# KiCad board breakout.kicad_pcb
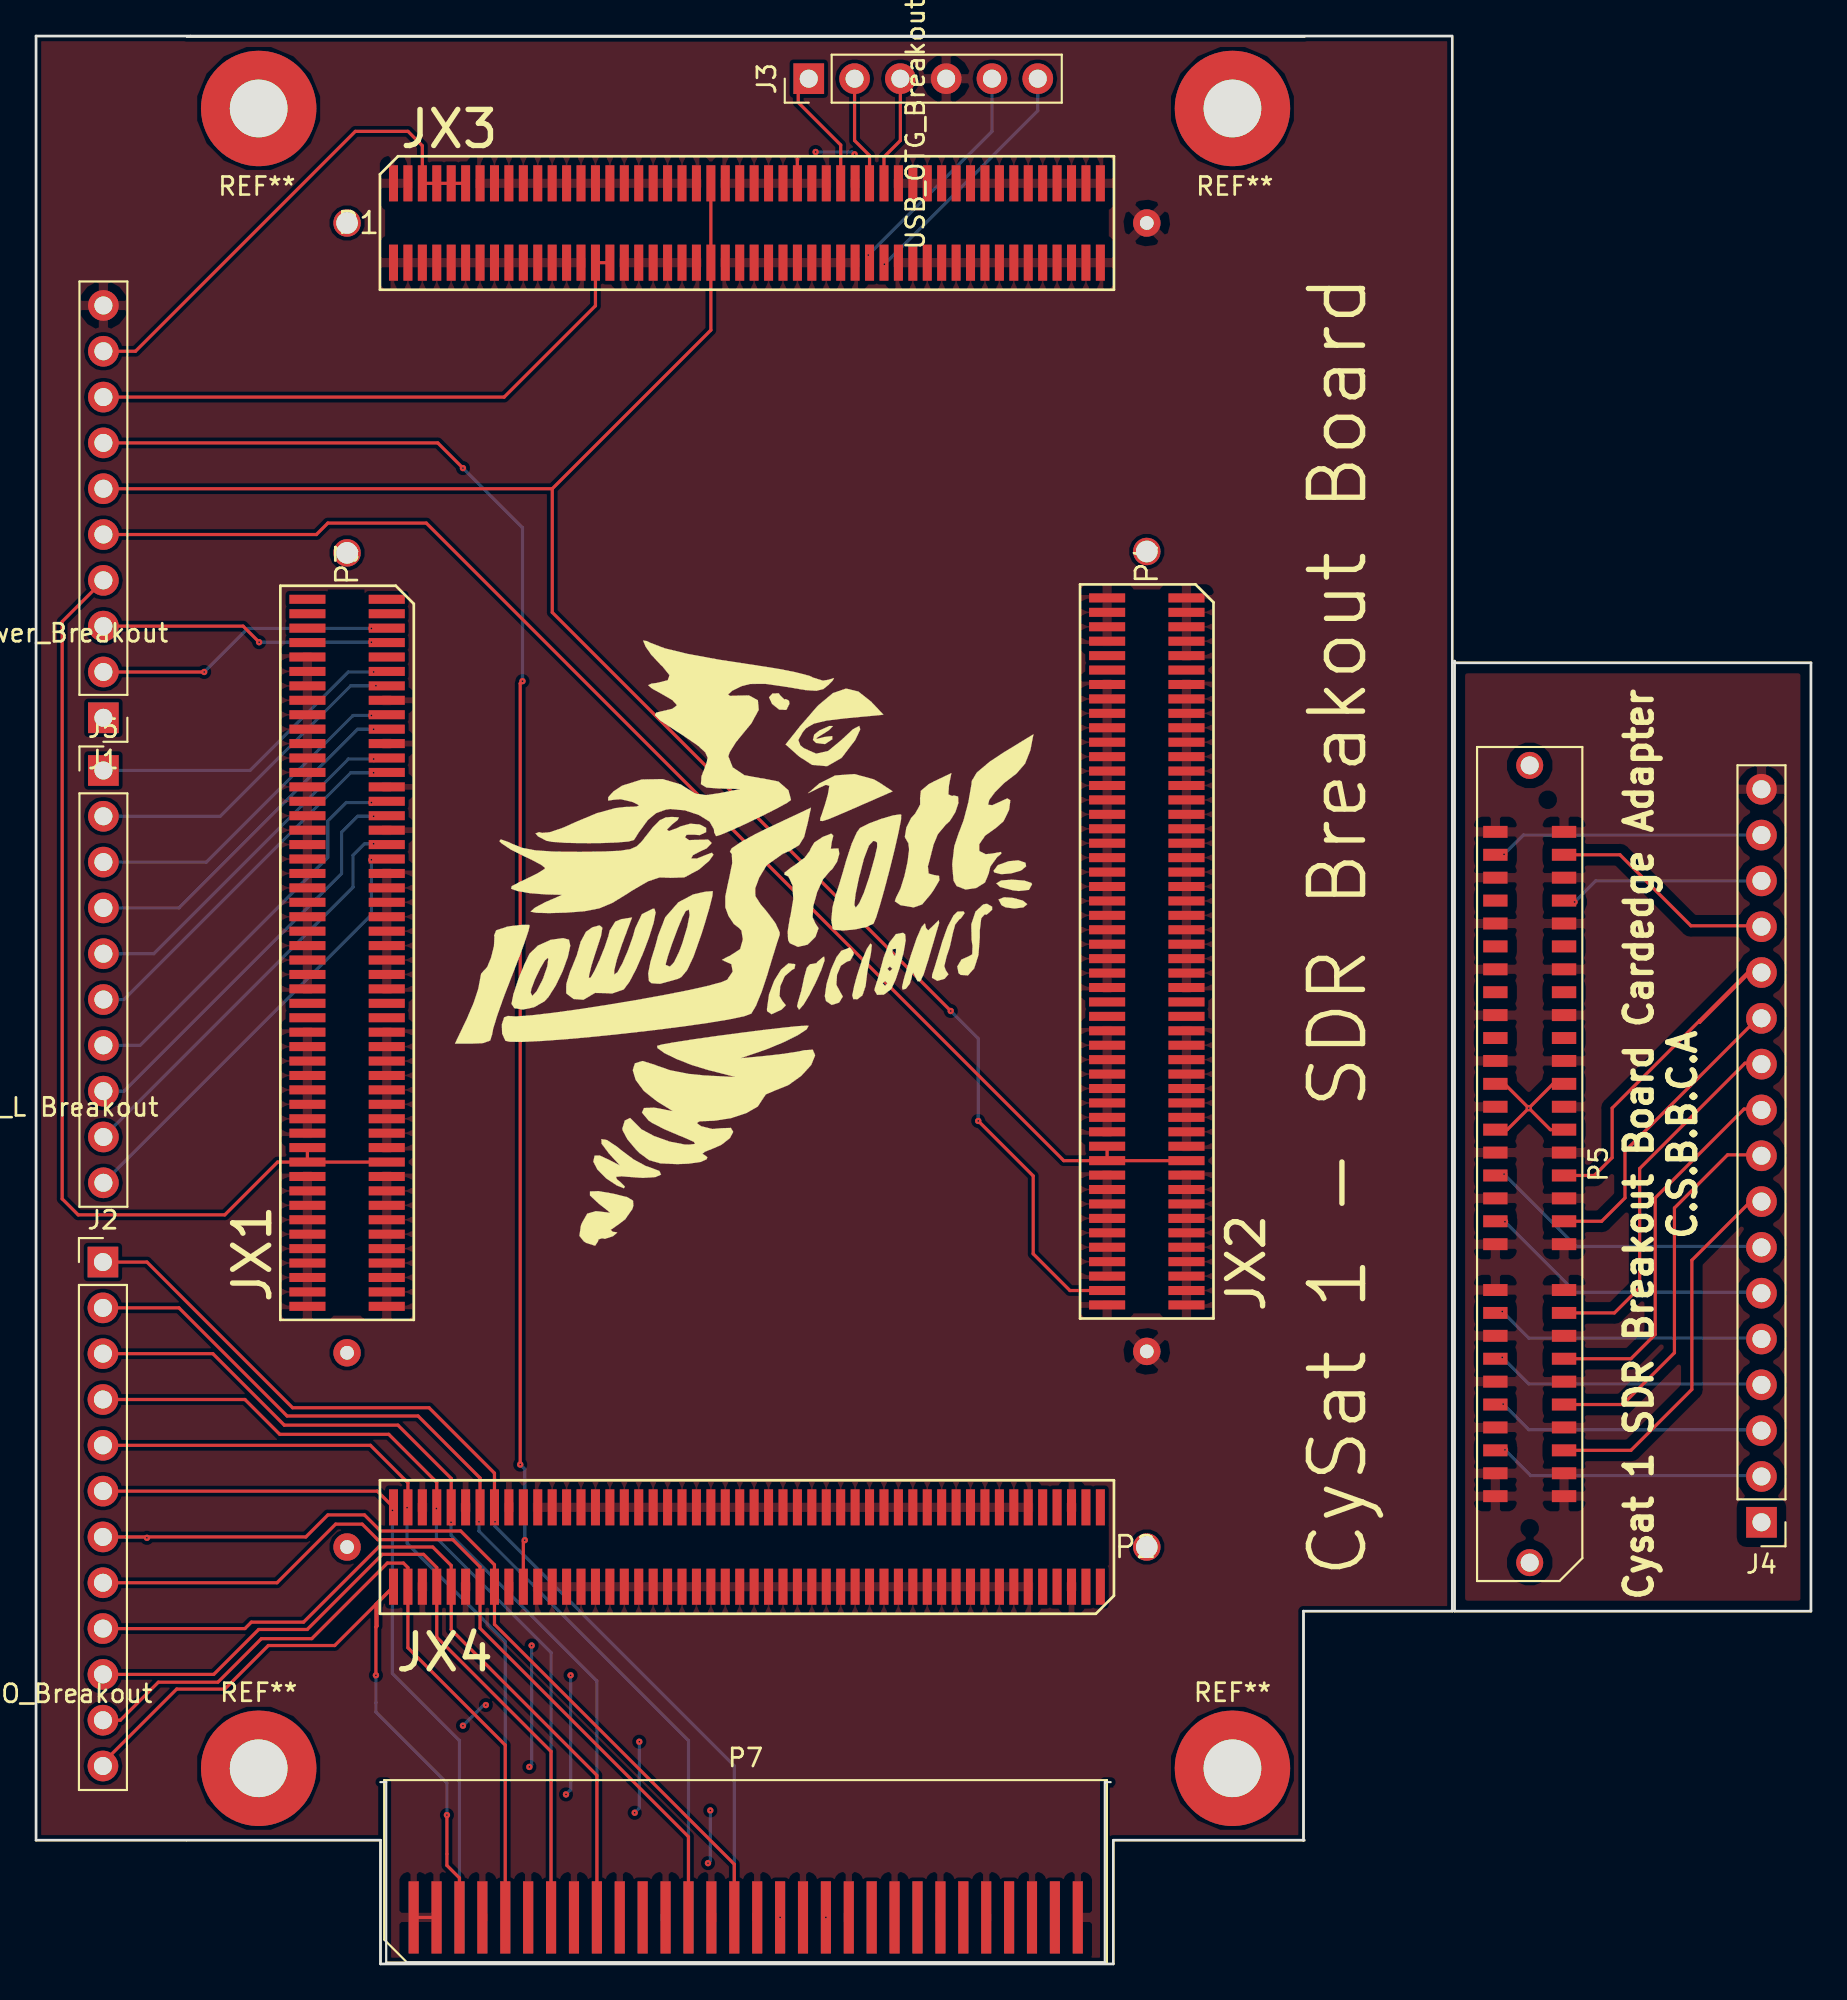
[diagram p0: board, top side]
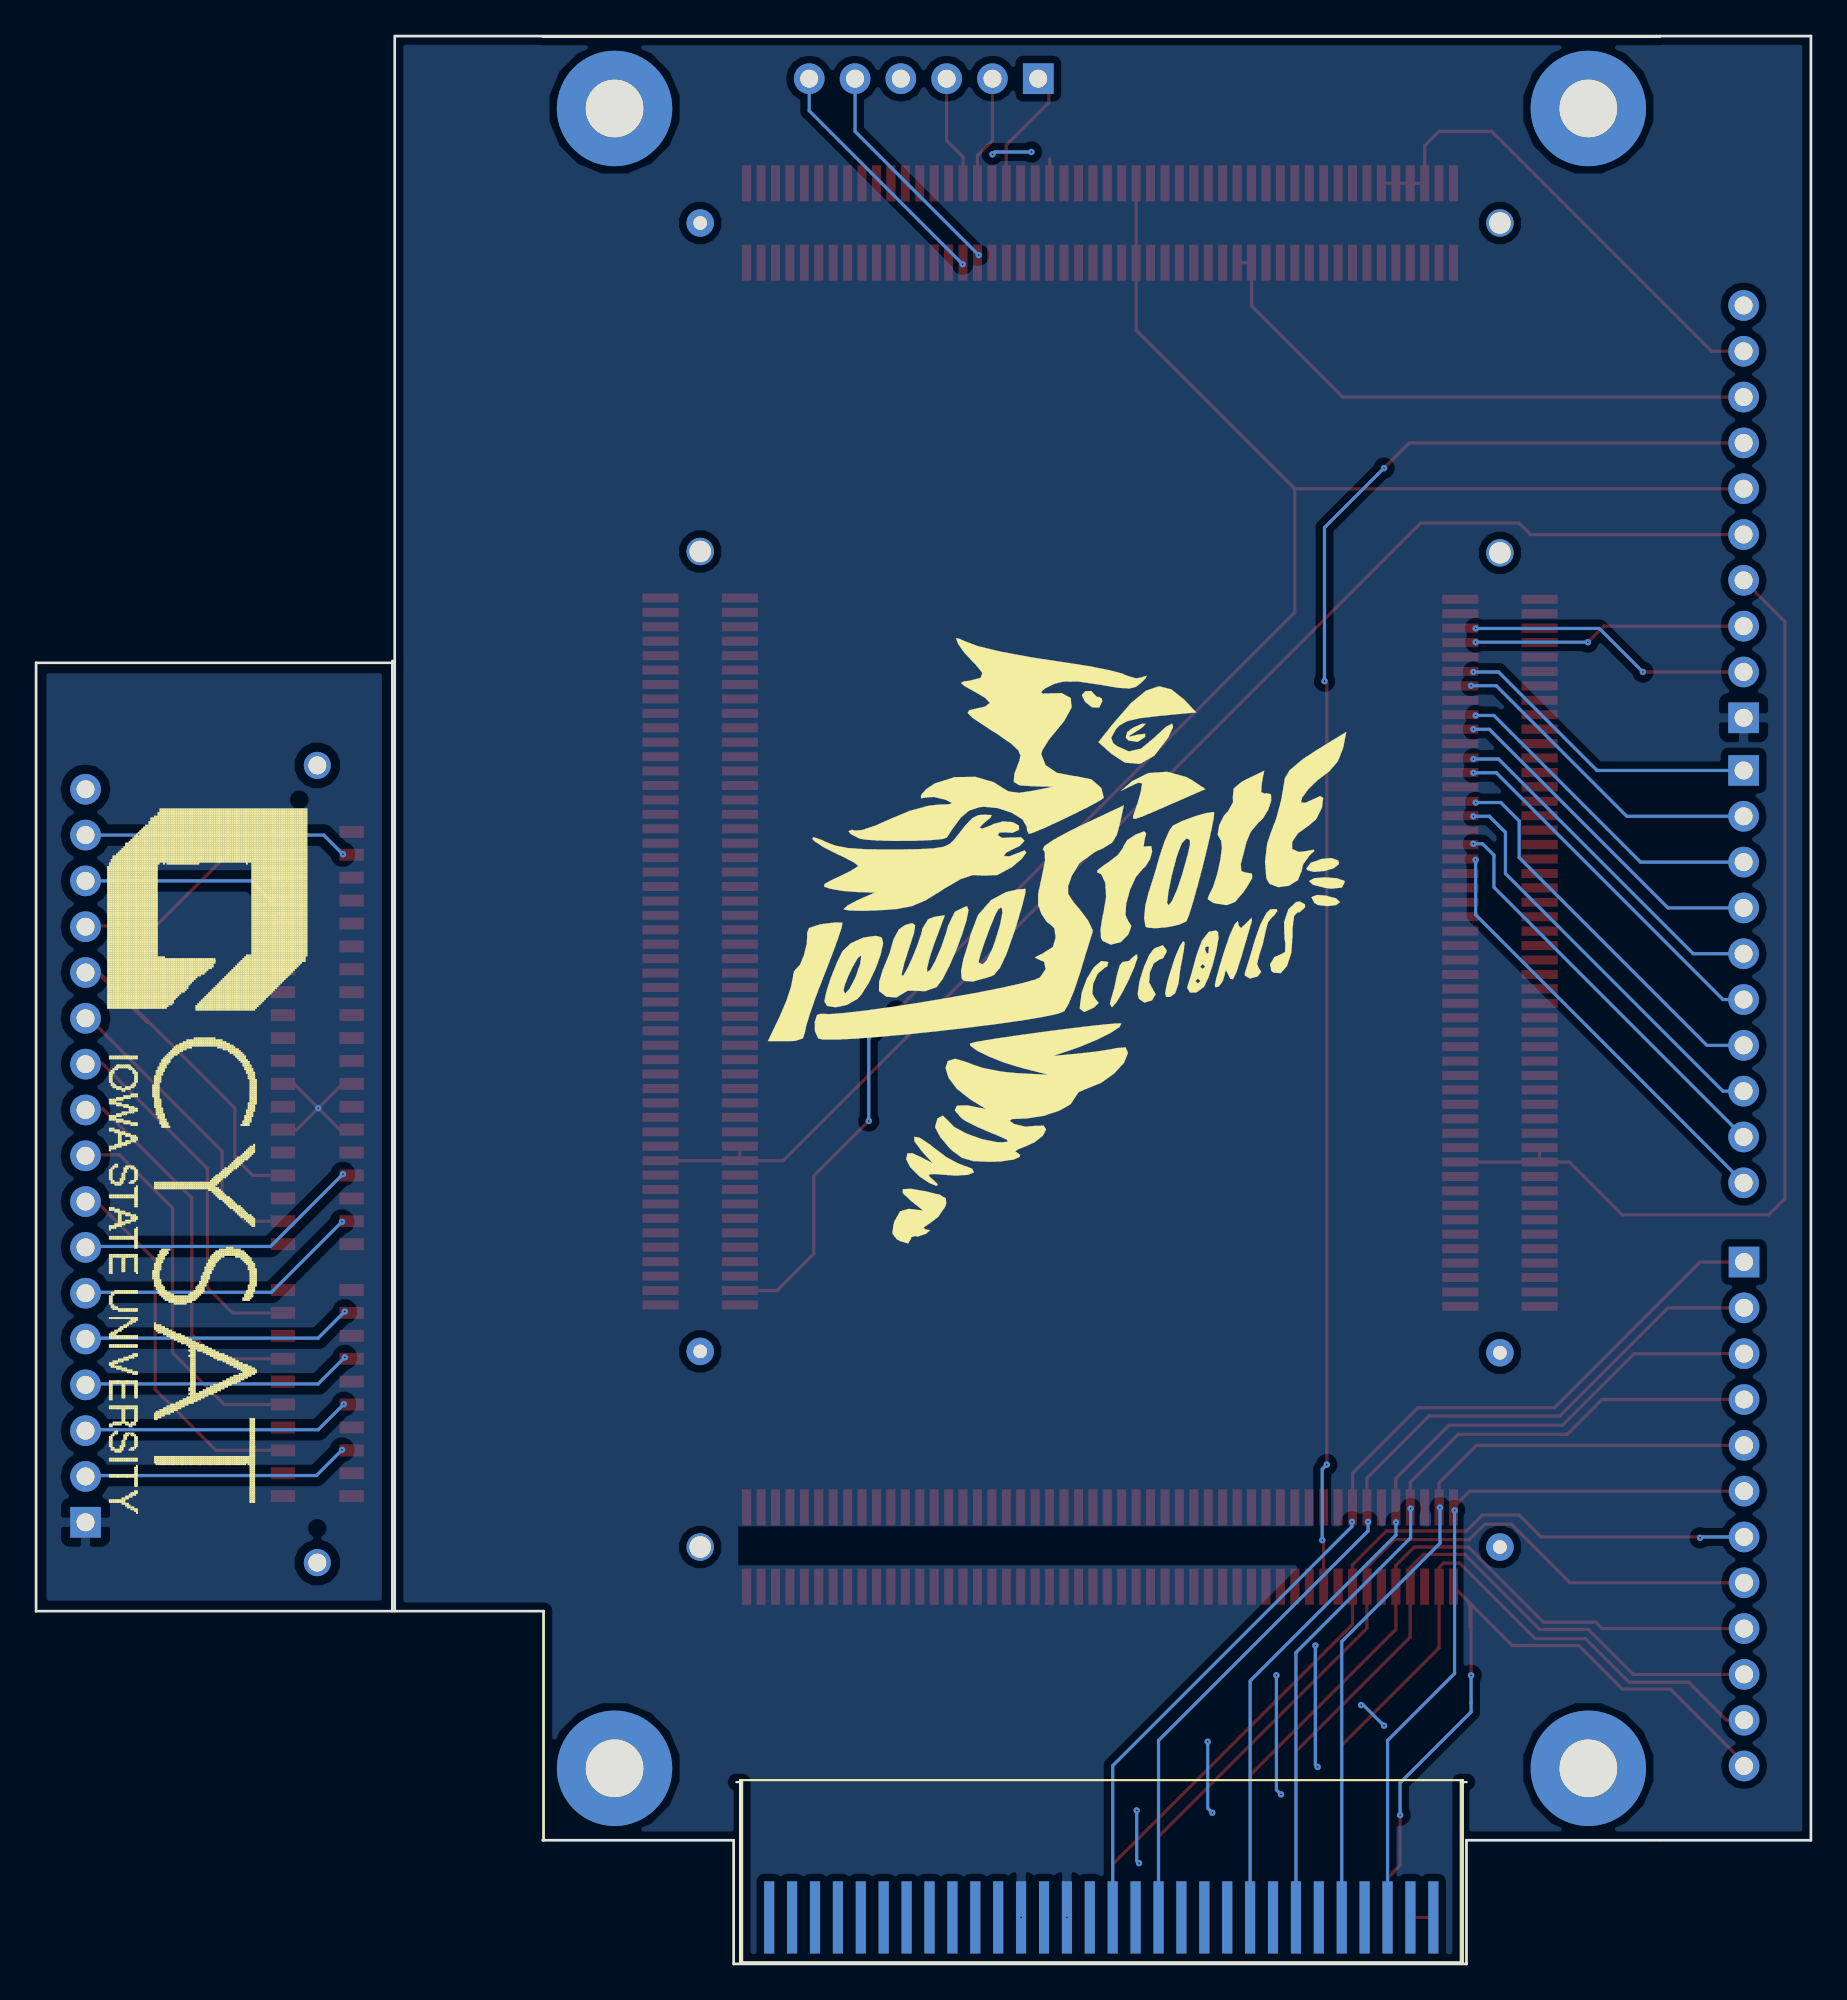
[diagram p1: board, bottom side, seen from below]

Outline 98.42 x 106.88 mm; copper layers: Top, Bottom. Coordinates in mm from the lower left corner of the outline.
Outline path: 8.33,6.86 0,6.86 0,106.88 78.54,106.88 ; 8.36,106.86 70.33,106.86 ; 8.36,6.86 19.1,6.86 19.1,0 59.74,0 59.74,6.86 70.33,6.86 ; 70.28,6.86 70.28,19.56 78.54,19.56 78.54,106.81 ; 78.66,72.14 78.66,72.24 ; 78.66,72.14 78.66,19.56 98.42,19.56 98.42,72.14 78.66,72.14

## Placement (name value [footprint] x y rotation side)
G***  LOGO  [Cysized]  38.66 57.18 0 top
G***#2  LOGO  [Cysized]  42.42 57.3 180 bottom
J1  Power_Breakout  [Pin_Header_Straight_1x10_Pitch2.54mm]  3.73 69.09 180 top
J2  MIO_Breakout  [Pin_Header_Straight_1x12_Pitch2.54mm]  3.71 38.91 0 top
J3  USB_OTG_Breakout  [Pin_Header_Straight_1x06_Pitch2.54mm]  42.85 104.52 90 top
J4  Cardedge breakout  [Pin_Header_Straight_1x17_Pitch2.54mm]  95.68 24.49 180 top
J5  IO_L Breakout  [Pin_Header_Straight_1x10_Pitch2.54mm]  3.73 66.17 0 top
LOGO  -  [LOGO]  82.98 64.06 270 bottom
P1  CONN_02X50  [BERGSTAK_100_PIN1_RIGHT]  39.42 96.52 0 top
P2  CONN_02X50  [BERGSTAK_100_PIN1_RIGHT]  39.42 23.11 180 top
P3  CONN_02X50  [BERGSTAK_100_PIN1_RIGHT]  17.25 56.06 270 top
P4  CONN_02X50  [BERGSTAK_100_PIN1_RIGHT]  61.59 56.13 270 top
P5  CONN_02X30  [MECF-30-01-L-DV-WT_Socket]  82.83 44.35 90 top
P7  CONN_02X30  [MECF-30-0_-NP-L-DV_Edge]  39.34 5.08 0 top
REF**  -  [MountingHole_3.2mm_M3_Pad]  12.34 102.87 0 top
REF**#2  -  [MountingHole_3.2mm_M3_Pad]  66.34 102.87 0 top
REF**#3  -  [MountingHole_3.2mm_M3_Pad]  12.34 10.85 0 top
REF**#4  -  [MountingHole_3.2mm_M3_Pad]  66.34 10.85 0 top

## Footprints (pads in the part's own frame, mm; a bottom-side part is the same pattern mirrored in y, then rotated)
BERGSTAK_100_PIN1_RIGHT
  round 1.524 hole 1.2: (-22.174,0)
  rect 0.5x2 smd: 1(-19.6,2.2) 2(-19.6,-2.2) 3(-18.8,2.2) 4(-18.8,-2.2) 5(-18,2.2) 6(-18,-2.2) 7(-17.2,2.2) 8(-17.2,-2.2) 9(-16.4,2.2) 10(-16.4,-2.2) 11(-15.6,2.2) 12(-15.6,-2.2) 13(-14.8,2.2) 14(-14.8,-2.2) 15(-14,2.2) 16(-14,-2.2) 17(-13.2,2.2) 18(-13.2,-2.2) 19(-12.4,2.2) 20(-12.4,-2.2) 21(-11.6,2.2) 22(-11.6,-2.2) 23(-10.8,2.2) 24(-10.8,-2.2) 25(-10,2.2) 26(-10,-2.2) 27(-9.2,2.2) 28(-9.2,-2.2) 29(-8.4,2.2) 30(-8.4,-2.2) 31(-7.6,2.2) 32(-7.6,-2.2) 33(-6.8,2.2) 34(-6.8,-2.2) 35(-6,2.2) 36(-6,-2.2) 37(-5.2,2.2) 38(-5.2,-2.2) 39(-4.4,2.2) 40(-4.4,-2.2) 41(-3.6,2.2) 42(-3.6,-2.2) 43(-2.8,2.2) 44(-2.8,-2.2) 45(-2,2.2) 46(-2,-2.2) 47(-1.2,2.2) 48(-1.2,-2.2) 49(-0.4,2.2) 50(-0.4,-2.2) 51(0.4,2.2) 52(0.4,-2.2) 53(1.2,2.2) 54(1.2,-2.2) 55(2,2.2) 56(2,-2.2) 57(2.8,2.2) 58(2.8,-2.2) 59(3.6,2.2) 60(3.6,-2.2) 61(4.4,2.2) 62(4.4,-2.2) 63(5.2,2.2) 64(5.2,-2.2) 65(6,2.2) 66(6,-2.2) 67(6.8,2.2) 68(6.8,-2.2) 69(7.6,2.2) 70(7.6,-2.2) 71(8.4,2.2) 72(8.4,-2.2) 73(9.2,2.2) 74(9.2,-2.2) 75(10,2.2) 76(10,-2.2) 77(10.8,2.2) 78(10.8,-2.2) 79(11.6,2.2) 80(11.6,-2.2) 81(12.4,2.2) 82(12.4,-2.2) 83(13.2,2.2) 84(13.2,-2.2) 85(14,2.2) 86(14,-2.2) 87(14.8,2.2) 88(14.8,-2.2) 89(15.6,2.2) 90(15.6,-2.2) 91(16.4,2.2) 92(16.4,-2.2) 93(17.2,2.2) 94(17.2,-2.2) 95(18,2.2) 96(18,-2.2) 97(18.8,2.2) 98(18.8,-2.2) 99(19.6,2.2) 100(19.6,-2.2)
  round 1.524 hole 0.762: 2(22.174,0)
MECF-30-0_-NP-L-DV_Edge
  rect 0.56x4 smd: 1(-18.405,-2.5) 3(-17.135,-2.5) 5(-15.865,-2.5) 7(-14.595,-2.5) 9(-13.325,-2.5) 11(-12.055,-2.5) 13(-10.785,-2.5) 15(-9.515,-2.5) 17(-8.245,-2.5) 19(-6.975,-2.5) 21(-5.705,-2.5) 23(-4.435,-2.5) 25(-3.165,-2.5) 27(-1.895,-2.5) 29(-0.625,-2.5) 31(0.645,-2.5) 33(1.915,-2.5) 35(3.185,-2.5) 37(4.455,-2.5) 39(5.725,-2.5) 41(6.995,-2.5) 43(8.265,-2.5) 45(9.535,-2.5) 47(10.805,-2.5) 49(12.075,-2.5) 51(13.345,-2.5) 53(14.615,-2.5) 55(15.885,-2.5) 57(17.155,-2.5) 59(18.425,-2.5)
  rect 0.56x4 smd far side: 2(-18.405,-2.5) 4(-17.135,-2.5) 6(-15.865,-2.5) 8(-14.595,-2.5) 10(-13.325,-2.5) 12(-12.055,-2.5) 14(-10.785,-2.5) 16(-9.515,-2.5) 18(-8.245,-2.5) 20(-6.975,-2.5) 22(-5.705,-2.5) 24(-4.435,-2.5) 26(-3.165,-2.5) 28(-1.895,-2.5) 30(-0.625,-2.5) 32(0.645,-2.5) 34(1.915,-2.5) 36(3.185,-2.5) 38(4.455,-2.5) 40(5.725,-2.5) 42(6.995,-2.5) 44(8.265,-2.5) 46(9.535,-2.5) 48(10.805,-2.5) 50(12.075,-2.5) 52(13.345,-2.5) 54(14.615,-2.5) 56(15.885,-2.5) 58(17.155,-2.5) 60(18.425,-2.5)
MECF-30-01-L-DV-WT_Socket
  round 1.5 hole 1: (-22.1,0) (22.1,0)
  round 0.001 hole 1.45 unplated: (-20.195,0) (20.195,-1)
  rect 0.66x1.35 smd: 1(-18.415,-1.905) 2(-18.415,1.905) 3(-17.145,-1.905) 4(-17.145,1.905) 5(-15.875,-1.905) 6(-15.875,1.905) 7(-14.605,-1.905) 8(-14.605,1.905) 9(-13.335,-1.905) 10(-13.335,1.905) 11(-12.065,-1.905) 12(-12.065,1.905) 13(-10.795,-1.905) 14(-10.795,1.905) 15(-9.525,-1.905) 16(-9.525,1.905) 17(-8.255,-1.905) 18(-8.255,1.905) 19(-6.985,-1.905) 20(-6.985,1.905) 23(-4.445,-1.905) 24(-4.445,1.905) 25(-3.175,-1.905) 26(-3.175,1.905) 27(-1.905,-1.905) 28(-1.905,1.905) 29(-0.635,-1.905) 30(-0.635,1.905) 31(0.635,-1.905) 32(0.635,1.905) 33(1.905,-1.905) 34(1.905,1.905) 35(3.175,-1.905) 36(3.175,1.905) 37(4.445,-1.905) 38(4.445,1.905) 39(5.715,-1.905) 40(5.715,1.905) 41(6.985,-1.905) 42(6.985,1.905) 43(8.255,-1.905) 44(8.255,1.905) 45(9.525,-1.905) 46(9.525,1.905) 47(10.795,-1.905) 48(10.795,1.905) 49(12.065,-1.905) 50(12.065,1.905) 51(13.335,-1.905) 52(13.335,1.905) 53(14.605,-1.905) 54(14.605,1.905) 55(15.875,-1.905) 56(15.875,1.905) 57(17.145,-1.905) 58(17.145,1.905) 59(18.415,-1.905) 60(18.415,1.905)
MountingHole_3.2mm_M3_Pad
  round 6.4 hole 3.2: 1(0,0)
Pin_Header_Straight_1x06_Pitch2.54mm
  rect 1.7x1.7 hole 1: 1(0,0)
  oval 1.7x1.7 hole 1: 2(0,-2.54) 3(0,-5.08) 4(0,-7.62) 5(0,-10.16) 6(0,-12.7)
Pin_Header_Straight_1x10_Pitch2.54mm
  rect 1.7x1.7 hole 1: 1(0,0)
  oval 1.7x1.7 hole 1: 2(0,-2.54) 3(0,-5.08) 4(0,-7.62) 5(0,-10.16) 6(0,-12.7) 7(0,-15.24) 8(0,-17.78) 9(0,-20.32) 10(0,-22.86)
Pin_Header_Straight_1x12_Pitch2.54mm
  rect 1.7x1.7 hole 1: 1(0,0)
  oval 1.7x1.7 hole 1: 2(0,-2.54) 3(0,-5.08) 4(0,-7.62) 5(0,-10.16) 6(0,-12.7) 7(0,-15.24) 8(0,-17.78) 9(0,-20.32) 10(0,-22.86) 11(0,-25.4) 12(0,-27.94)
Pin_Header_Straight_1x17_Pitch2.54mm
  rect 1.7x1.7 hole 1: 1(0,0)
  oval 1.7x1.7 hole 1: 2(0,-2.54) 3(0,-5.08) 4(0,-7.62) 5(0,-10.16) 6(0,-12.7) 7(0,-15.24) 8(0,-17.78) 9(0,-20.32) 10(0,-22.86) 11(0,-25.4) 12(0,-27.94) 13(0,-30.48) 14(0,-33.02) 15(0,-35.56) 16(0,-38.1) 17(0,-40.64)

## Nets
3V3_I2C: J1.7 P2.81
+5V: J1.1 J4.1 P3.57 P3.58 P3.59 P3.60 P4.12 P4.57 P4.58 P4.59 P4.60 P5.33 P5.34 P5.37 P5.38 P7.33 P7.34 P7.37 P7.38
GND: J1.10 J3.4 J4.17 P1.1 P1.2 P1.3 P1.4 P1.6 P1.8 P1.10 P1.12 P1.13 P1.14 P1.15 P1.16 P1.17 P1.18 P1.19 P1.20 P1.21 P1.22 P1.23 P1.24 P1.25 P1.26 P1.27 P1.28 P1.29 P1.31 P1.33 P1.34 P1.35 P1.36 P1.37 P1.38 P1.39 P1.40 P1.41 P1.42 P1.43 P1.44 P1.47 P1.48 P1.49 P1.50 P1.51 P1.52 P1.53 P1.54 P1.55 P1.56 P1.57 P1.58 P1.59 P1.60 P1.61 P1.62 P1.64 P1.65 P1.66 P1.71 P1.72 P1.73 P1.74 P1.75 P1.76 P1.77 P1.78 P1.79 P1.80 P1.81 P1.82 P1.83 P1.84 P1.85 P1.86 P1.87 P1.88 P1.89 P1.90 P1.91 P1.92 P1.93 P1.94 P1.95 P1.96 P1.97 P1.98 P1.99 P1.100 P2.5 P2.6 P2.11 P2.12 P2.13 P2.14 P2.15 P2.16 P2.17 P2.18 P2.19 P2.20 P2.21 P2.22 P2.23 P2.24 P2.25 P2.26 P2.27 P2.28 P2.29 P2.30 P2.31 P2.32 P2.33 P2.34 P2.35 P2.36 P2.37 P2.38 P2.39 P2.40 P2.41 P2.42 P2.43 P2.44 P2.45 P2.46 P2.47 P2.48 P2.49 P2.50 P2.51 P2.52 P2.53 P2.54 P2.55 P2.56 P2.57 P2.58 P2.59 P2.60 P2.61 P2.62 P2.63 P2.64 P2.65 P2.66 P2.67 P2.68 P2.69 P2.70 P2.71 P2.72 P2.73 P2.74 P2.75 P2.76 P2.77 P2.78 P2.79 P2.80 P2.83 P2.84 P2.89 P2.90 P2.95 P2.96 P3.10 P3.12 P3.14 P3.15 P3.16 P3.18 P3.20 P3.21 P3.22 P3.24 P3.26 P3.27 P3.28 P3.30 P3.32 P3.33 P3.34 P3.36 P3.38 P3.39 P3.40 P3.41 P3.42 P3.43 P3.44 P3.45 P3.46 P3.47 P3.48 P3.49 P3.50 P3.51 P3.52 P3.53 P3.54 P3.55 P3.56 P3.61 P3.62 P3.63 P3.64 P3.65 P3.66 P3.67 P3.68 P3.69 P3.70 P3.71 P3.72 P3.73 P3.74 P3.75 P3.76 P3.77 P3.81 P3.82 P3.83 P3.84 P3.85 P3.86 P3.87 P3.88 P3.89 P3.90 P3.91 P3.92 P3.93 P3.94 P3.95 P3.96 P3.97 P3.98 P3.99 P3.100 P4.1 P4.2 P4.3 P4.4 P4.5 P4.6 P4.7 P4.8 P4.9 P4.13 P4.14 P4.15 P4.16 P4.17 P4.18 P4.19 P4.20 P4.21 P4.22 P4.23 P4.24 P4.25 P4.26 P4.27 P4.28 P4.29 P4.30 P4.31 P4.32 P4.33 P4.34 P4.35 P4.36 P4.37 P4.38 P4.39 P4.40 P4.41 P4.42 P4.43 P4.44 P4.45 P4.46 P4.47 P4.48 P4.49 P4.50 P4.51 P4.52 P4.53 P4.54 P4.55 P4.56 P4.61 P4.62 P4.63 P4.64 P4.65 P4.66 P4.67 P4.68 P4.69 P4.70 P4.71 P4.72 P4.73 P4.74 P4.75 P4.76 P4.77 P4.81 P4.82 P4.83 P4.84 P4.85 P4.86 P4.87 P4.88 P4.89 P4.90 P4.91 P4.92 P4.93 P4.94 P4.95 P4.96 P4.97 P4.99 P4.100 P5.1 P5.2 P5.3 P5.4 P5.7 P5.8 P5.11 P5.12 P5.15 P5.16 P5.19 P5.20 P5.23 P5.24 P5.27 P5.28 P5.31 P5.32 P5.35 P5.36 P5.39 P5.40 P5.43 P5.44 P5.47 P5.48 P5.51 P5.52 P5.55 P5.56 P5.59 P5.60 P7.1 P7.2 P7.3 P7.4 P7.7 P7.8 P7.11 P7.12 P7.15 P7.16 P7.19 P7.20 P7.23 P7.24 P7.27 P7.28 P7.31 P7.32 P7.35 P7.36 P7.39 P7.40 P7.43 P7.44 P7.47 P7.48 P7.51 P7.52 P7.55 P7.56 P7.59 P7.60
VDDA_GPO_PWR: P2.9
AUXADC: P2.7
AUXDAC1: P2.8
AUXDAC2: P2.10
Carrier_Reset: P3.6
FPGA_DONE: J4.16 P3.8 P5.58 P7.58
FPGA_VBATT: J1.3 P3.7
GPO_0: P2.1
GPO_1: P2.2
GPO_2: P2.3
GPO_3: P2.4
IO_00_33_JX1: P3.9
IO_L01_33_JX1_N: J5.10 P3.37
IO_L01_33_JX1_P: J5.9 P3.35
IO_L16_33_JX1_N: J5.2 P3.13
IO_L16_33_JX1_P: J5.1 P3.11
IO_L18_33_JX1_N: J5.4 P3.19
IO_L18_33_JX1_P: J5.3 P3.17
IO_L20_33_JX1_N: J5.6 P3.25
IO_L20_33_JX1_P: J5.5 P3.23
IO_L22_33_JX1_N: J5.8 P3.31
IO_L22_33_JX1_P: J5.7 P3.29
JTAG_TCK: P3.1
JTAG_TDI: P3.4
JTAG_TDO: P3.3
JTAG_TMS: P3.2
JX_MGTAVCC: J1.9 P1.5 P1.7 P1.9 P1.11
JX_MGTAVTT: J1.8 P1.30 P1.32
JX_VCCO_12: J1.4 P3.78 P3.79 P3.80
JX_VCCO_13: J1.6 P1.45 P1.46 P4.98
JX_VCCO_33_34: J1.5 P4.78 P4.79 P4.80
MIO0: J2.11 J4.9 P2.97 P5.9 P7.9
MIO10: J2.8 J4.12 P2.87 P5.25 P7.25
MIO11: J2.2 J4.6 P2.88 P5.26 P7.26
MIO12: J2.1 J4.7 P2.86 P5.30 P7.30
MIO13: J2.9 J4.11 P2.91 P5.17 P7.17
MIO14: J2.10 J4.10 P2.93 P5.13 P7.13
MIO15: J2.7 J4.13 P2.85 P5.29 P7.29
MIO46: J2.3 J4.5 P2.92 P5.18 P7.18
MIO47: J2.4 J4.4 P2.94 P5.14 P7.14
MIO48: J2.12 J4.8 P2.99 P5.5 P7.5
MIO49: J2.5 J4.3 P2.98 P5.10 P7.10
MIO51: J2.6 J4.2 P2.100 P5.6 P7.6
PG_1P8V: P4.10
PG_MODULE: J4.15 P4.11 P5.53 P7.53
PWR_ENABLE: J1.2 J4.14 P3.5 P5.57 P7.57
USB_ID: J3.1 P1.63
USB_OTG_CPEN: J3.6 P1.70
USB_OTG_N: J3.3 P1.69
USB_OTG_P: J3.2 P1.67
USB_VBUS_OTG: J3.5 P1.68
Net-(P2-Pad82): P2.82
Net-(P5-Pad41): P5.41
Net-(P5-Pad42): P5.42
Net-(P5-Pad45): P5.45
Net-(P5-Pad46): P5.46
Net-(P5-Pad49): P5.49
Net-(P5-Pad50): P5.50
Net-(P5-Pad54): P5.54
Net-(P7-Pad21): P7.21
Net-(P7-Pad22): P7.22
Net-(P7-Pad41): P7.41
Net-(P7-Pad42): P7.42
Net-(P7-Pad45): P7.45
Net-(P7-Pad46): P7.46
Net-(P7-Pad49): P7.49
Net-(P7-Pad50): P7.50
Net-(P7-Pad54): P7.54

Pads without a net: REF** 1; REF**#2 1; REF**#3 1; REF**#4 1

## Via types
v1: diameter 0.356, hole 0.102, Top to Bottom, 54 vias

## Routing (per net, layer and track width the routed paths; a pad name or vN(x,y) marks a point on that pad's centre or on a via; arc(x,y) is an arc through that point)
3V3_I2C: length 84.1
  Top w0.178: v1(23.67,82.93) 22.28,84.33 J1.7 ; v1(26.97,71.12) 26.85,70.99 v1(26.85,27.69) ; v1(27.1,23.5) 27.02,23.41 P2.81
  Bottom w0.178: v1(23.67,82.93) 26.97,79.63 v1(26.97,71.12) ; v1(26.85,27.69) 27.1,27.43 v1(27.1,23.5)
+5V: length 9.8
  Top w0.178: v1(82.78,47.45) 83.97,46.25 P5.33 ; v1(82.78,47.45) 81.58,46.25 P5.34 ; v1(82.78,47.45) 84.12,48.79 P5.37 ; v1(82.78,47.45) 81.43,48.79 P5.38
  Bottom w0.178: v1(82.78,47.45) 82.78,47.5
  vias: v1(41.26,2.58) v1(43.8,2.58)
GND: length 5.5
  Top w0.178: P1.57 42.21,98.73 42.21,100.08 ; P7.3 P7.1 ; 14.84,46.78 15.77,46.78 ; 15.77,60.38 14.84,60.38 ; 15.77,58.78 14.78,58.78
(no net): length 24.5
  Bottom w0.178: v1(23.67,13.21) 24.82,14.35 v1(24.94,14.35) ; v1(27.36,10.92) 27.48,11.05 v1(27.48,17.65) ; v1(29.39,9.4) 29.64,9.65 v1(29.64,16) ; v1(33.2,8.38) 33.45,8.64 v1(33.45,12.32) ; v1(37.26,5.59) 37.39,5.72 v1(37.39,8.51) ; v1(45.39,100.33) 45.26,100.46 v1(43.23,100.46)
FPGA_DONE: length 15.2
  Top w0.178: v1(81.41,61.52) 81.38,61.49 P5.58
  Bottom w0.178: v1(81.41,61.52) 82.47,62.59 J4.16
FPGA_VBATT: length 16.1
  Top w0.178: v1(12.37,73.28) 11.48,74.17 J1.3 ; v1(18.59,73.28) 18.61,73.26 P3.7
  Bottom w0.178: v1(12.37,73.28) v1(18.59,73.28)
IO_L01_33_JX1_N: length 24.9
  Top w0.178: v1(18.59,61.21) 19.4,61.21 P3.37
  Bottom w0.178: v1(18.59,61.21) 18.59,58.17 J5.10
IO_L01_33_JX1_P: length 23.5
  Top w0.178: v1(18.72,62.1) 18.77,62.06 P3.35
  Bottom w0.178: v1(18.72,62.1) 18.21,62.1 17.58,61.47 17.58,59.69 J5.9
IO_L16_33_JX1_N: length 18.7
  Top w0.178: v1(18.85,70.87) 18.85,70.86 P3.13
  Bottom w0.178: v1(18.85,70.87) 17.45,70.87 10.21,63.63 3.73,63.63
IO_L16_33_JX1_P: length 18
  Top w0.178: v1(18.72,71.63) 18.75,71.66 P3.11
  Bottom w0.178: v1(18.72,71.63) 17.32,71.63 11.86,66.17 J5.1
IO_L18_33_JX1_N: length 19.8
  Top w0.178: v1(18.72,68.45) 18.72,68.46 P3.19
  Bottom w0.178: v1(18.72,68.45) 17.83,68.45 7.92,58.55 3.73,58.55
IO_L18_33_JX1_P: length 19.1
  Top w0.178: v1(18.59,69.22) 18.64,69.26 P3.17
  Bottom w0.178: v1(18.59,69.22) 17.58,69.22 9.45,61.09 J5.3
IO_L20_33_JX1_N: length 20.9
  Top w0.178: v1(18.72,66.04) 18.74,66.06 P3.25
  Bottom w0.178: v1(18.72,66.04) 17.45,66.04 4.88,53.47 3.73,53.47
IO_L20_33_JX1_P: length 20.2
  Top w0.178: v1(18.72,66.8) 18.78,66.86 P3.23
  Bottom w0.178: v1(18.72,66.8) 17.32,66.8 6.53,56.01 J5.5
IO_L22_33_JX1_N: length 23.4
  Top w0.178: v1(18.72,63.63) 18.75,63.66 P3.31
  Bottom w0.178: v1(18.72,63.63) 17.83,63.63 16.94,62.74 16.94,60.45 4.88,48.39 J5.8
IO_L22_33_JX1_P: length 22.5
  Top w0.178: v1(18.59,64.39) 18.66,64.46 P3.29
  Bottom w0.178: v1(18.59,64.39) 17.2,64.39 16.18,63.37 16.18,61.34 5.77,50.93 J5.7
JX_MGTAVCC: length 27.6
  Top w0.178: P1.11 P1.9 P1.7 P1.5 21.42,100.8 20.62,101.6 17.7,101.6 5.51,89.41 J1.9
JX_MGTAVTT: length 32.6
  Top w0.178: P1.32 P1.30 31.02,91.93 25.96,86.87 J1.8
JX_VCCO_12: length 56.4
  Top w0.178: 14.28,44.46 P3.80 ; P3.80 13.39,44.46 10.46,41.53 2.34,41.53 1.45,42.42 1.45,74.42 J1.4 ; P3.80 P3.79 ; P3.80 P3.78
JX_VCCO_13: length 103.9
  Top w0.178: 28.63,81.79 37.42,90.58 P1.46 P1.45 ; 28.63,81.79 28.63,74.93 v1(50.72,52.83) ; 28.63,81.79 J1.6 ; v1(52.25,46.74) 55.3,43.69 55.3,39.37 57.33,37.33 P4.98
  Bottom w0.178: v1(50.72,52.83) 52.25,51.31 v1(52.25,46.74)
JX_VCCO_33_34: length 75.8
  Top w0.178: P4.80 56.99,44.53 21.64,79.88 16.18,79.88 15.54,79.25 J1.5 ; P4.80 P4.79 ; P4.80 P4.78
MIO0: length 63.1
  Top w0.178: P5.9 87.99,31.01 90.86,33.88 90.86,41.91 93.8,44.86 95.12,44.86 ; J2.11 4.67,13.51 6.78,15.62 10.08,15.62 12.5,18.03 15.29,18.03 19.48,22.22 20.37,22.22 20.62,21.97 P2.97 20.62,17.53 26.02,12.13 P7.9
MIO10: length 64.3
  Top w0.178: P5.25 86.82,41.17 88.11,42.47 88.11,45.06 95.12,52.07 95.12,52.48 ; J2.8 13.36,21.13 16.61,24.38 18.08,24.38 18.95,23.52 23.11,23.52 24.62,22.01 P2.87 24.62,18.61 36.18,7.05 P7.25
MIO11: length 70.9
  Top w0.178: 24.62,25.01 P2.88 ; P2.88 24.62,24.52 ; P2.88 24.62,26.94 21.18,30.38 13.92,30.38 7.92,36.37 J2.2 ; P2.88 24.62,24.57 v1(24.56,24.51) ; v1(81.46,41.15) 81.43,41.17 P5.26
  Bottom w0.178: v1(81.46,41.15) 85.37,37.24 95.12,37.24 ; v1(24.56,24.51) 24.56,24 36.18,12.39 P7.26
MIO12: length 73.4
  Top w0.178: 25.42,24.51 P2.86 ; P2.86 25.42,27.21 21.79,30.84 14.22,30.84 6.15,38.91 J2.1 ; P2.86 25.42,24.54 v1(25.45,24.51) ; v1(81.41,43.79) 81.33,43.71 P5.30
  Bottom w0.178: v1(81.41,43.79) 85.42,39.78 95.12,39.78 ; v1(25.45,24.51) 25.45,24.26 38.72,10.99 P7.30
MIO13: length 64.5
  Top w0.178: P5.17 87.53,36.09 88.93,37.49 88.93,44.09 94.77,49.94 95.12,49.94 ; P7.17 31.1,10.45 23.02,18.53 P2.91 23.02,22.09 22,23.11 19,23.11 14.83,18.95 11.94,18.95 11.58,18.59 J2.9
MIO14: length 64.1
  Top w0.178: P5.13 88.44,33.55 89.79,34.9 89.79,42.47 94.72,47.4 95.12,47.4 ; J2.10 9.86,16.05 12.34,18.54 15.04,18.54 19.2,22.71 21.49,22.71 22.22,21.98 P2.93 22.22,18.11 28.56,11.78 P7.13
MIO15: length 73.3
  Top w0.178: 92.25,52.3 94.97,55.02 95.12,55.02 ; 92.25,52.3 92.25,52.2 95.02,54.97 J4.13 ; 92.25,52.3 87.4,47.45 87.4,44.7 86.41,43.71 P5.29 ; P2.85 25.42,18.83 38.72,5.53 P7.29 ; P2.85 25.42,21.87 ; P2.85 25.42,22.13 23.55,24 19.1,24 18.21,24.89 16.18,24.89 14.96,23.67 6.15,23.67 ; 6.15,23.67 v1(6.15,23.62) ; 6.15,23.67 v1(6.15,23.62) ; 6.15,23.67 v1(6.15,23.62) ; 6.15,23.67 J2.7
  Bottom w0.178: v1(6.15,23.62) 6.1,23.67 J2.7
MIO46: length 65.2
  Top w0.178: 23.02,25.76 P2.92 ; P2.92 23.02,24.49 v1(23.01,24.49) ; P2.92 23.02,26.92 20.07,29.87 13.77,29.87 9.8,33.83 J2.3 ; v1(81.31,36.17) 81.28,36.14 80.87,36.14
  Bottom w0.178: v1(23.01,24.49) 23.01,23.77 31.1,15.69 P7.18 ; v1(81.31,36.17) 82.78,34.7 95.12,34.7
MIO47: length 62
  Top w0.178: v1(22.2,25.25) 22.22,25.27 P2.94 22.22,26.7 19.56,29.36 13.51,29.36 11.58,31.29 J2.4 ; v1(81.31,33.63) 81.28,33.6 80.87,33.6
  Bottom w0.178: v1(22.2,25.25) 22.2,23.62 28.56,17.26 P7.14 ; v1(81.31,33.63) 82.78,32.16 95.12,32.16
MIO48: length 62.6
  Top w0.178: P5.5 88.44,28.47 91.82,31.85 91.82,39.01 95.12,42.32 ; 18.85,18.67 18.91,18.73 18.91,19.88 18.97,19.94 ; 18.85,18.67 v1(18.85,16) ; 18.85,18.67 18.85,19.94 P2.99 19.1,20.19 19.1,20.19 16.56,17.65 12.88,17.65 10.46,15.24 7.8,15.24 3.71,11.15 J2.12 ; v1(22.78,8.25) 22.78,5.46 23.48,4.77 P7.5
  Bottom w0.178: v1(18.85,16) 18.85,13.97 22.78,10.03 v1(22.78,8.25)
MIO49: length 59
  Top w0.178: v1(20.57,25.3) 20.59,25.31 P2.98 20.62,26.67 18.54,28.75 J2.5 ; v1(81.36,31.04) 81.33,31.06 80.87,31.06
  Bottom w0.178: v1(20.57,25.3) 20.57,23.32 26.02,17.87 P7.10 ; v1(81.36,31.04) 82.78,29.62 95.12,29.62
MIO51: length 55.6
  Top w0.178: v1(19.76,25.15) 19.82,25.21 P2.100 18.92,26.21 J2.6 ; v1(81.46,28.5) 81.43,28.52 80.87,28.52
  Bottom w0.178: v1(19.76,25.15) 19.76,16.1 23.48,12.39 P7.6 ; v1(81.46,28.5) 82.88,27.08 95.12,27.08
PG_MODULE: length 11.5
  Top w0.178: v1(85.32,58.88) 85.24,58.95 P5.53
  Bottom w0.178: v1(85.32,58.88) 86.49,60.05 J4.15
PWR_ENABLE: length 28.7
  Top w0.178: P5.57 87.83,61.49 91.77,57.56 95.12,57.56 ; v1(18.59,74.04) 18.61,74.06 P3.5 ; J1.2 v1(9.32,71.63)
  Bottom w0.178: v1(9.32,71.63) 11.73,74.04 v1(18.59,74.04)
USB_ID: length 6.8
  Top w0.178: P1.63 44.62,100.85 42.27,103.2 42.27,104.5
USB_OTG_CPEN: length 14.2
  Top w0.178: 47.04,94.34 P1.70 ; P1.70 47.02,94.6 ; P1.70 47.02,94.25 v1(47.04,94.23)
  Bottom w0.178: v1(47.04,94.23) 55.55,102.74 J3.6
USB_OTG_N: length 6.2
  Top w0.178: P1.69 47.02,100.18 47.93,101.09 J3.3
USB_OTG_P: length 6.1
  Top w0.178: P1.67 46.22,100.26 45.39,101.09 J3.2
USB_VBUS_OTG: length 13.9
  Top w0.178: 46.15,94.39 P1.68 ; P1.68 46.22,95.05 ; P1.68 46.22,94.67 v1(46.15,94.74)
  Bottom w0.178: v1(46.15,94.74) 53.01,101.6 J3.5

## Copper pours and planes (outline as drawn; the poured copper is in the pictures)
+5V on Bottom: 98.32,19.66 78.77,19.66 78.77,72.03 98.32,72.03
+5V on Bottom: 70.15,6.99 70.15,19.69 78.41,19.69 78.41,106.68 0.18,106.68 0.18,6.99 18.97,6.99 18.97,10.29 19.61,10.29 19.61,0.25 59.11,0.25 59.11,10.29 59.74,10.29 59.74,9.78 59.49,9.78 59.49,6.99
GND on Top: 98.32,19.66 78.77,19.66 78.77,72.03 98.32,72.03
GND on Top: 70.15,6.99 70.15,19.69 78.41,19.69 78.41,106.68 0.18,106.68 0.18,6.99 18.97,6.99 18.97,10.29 19.61,10.29 19.61,0.25 59.11,0.25 59.11,10.29 59.74,10.29 59.74,9.78 59.49,9.78 59.49,6.99

## Text on the board
F.SilkS: Cysat 1 SDR Breakout Board Cardedge Adapter / C.S.B.B.C.A | JX4 | JX3 | JX1 | JX2 | CySat 1 - SDR Breakout Board
